# Altium PCB MB1397.PcbDoc (part 6 of 11)
Units mm, origin at the board's own origin, x right, y up, seen from the top; angles counter-clockwise.
Board outline 118.24 x 172.86 mm, 6 copper layers (Top Layer, L2_GND, L3_VCC, L4_SIG, L5_GND, Bottom Layer), stack 1.631 mm thick; 819 components, 632 nets, 2875 pads, 1523 vias.
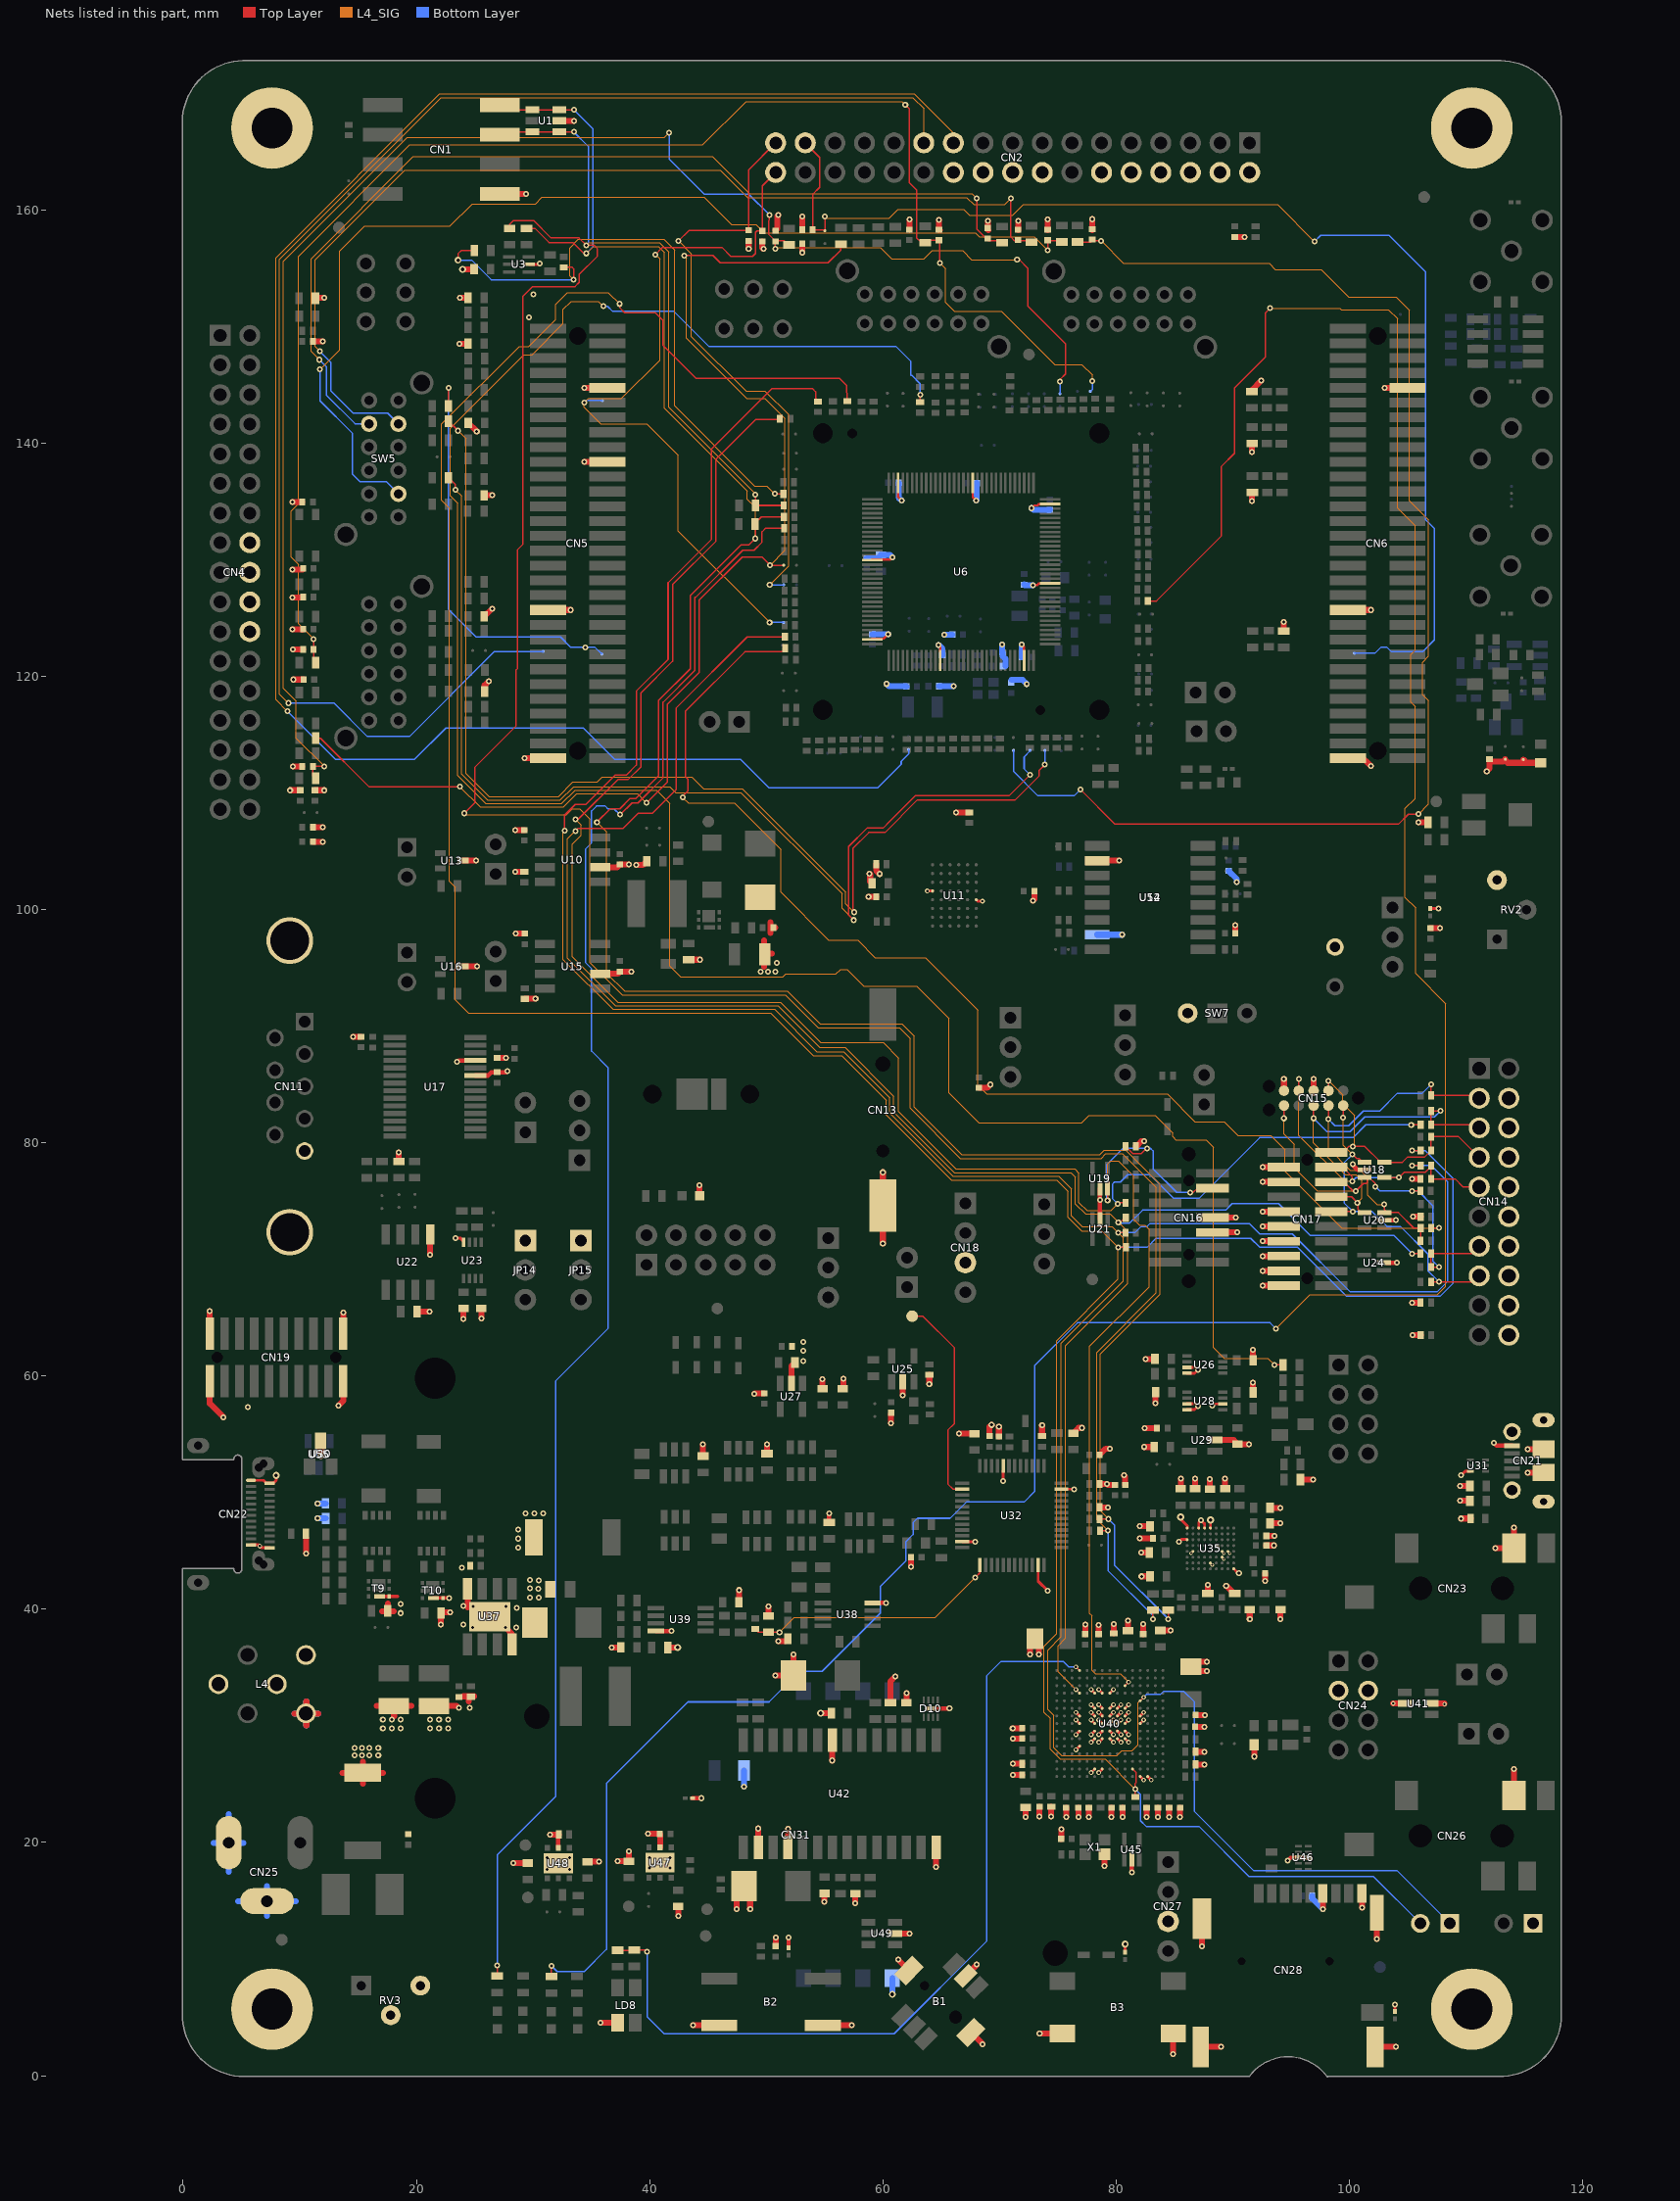
[diagram p10: the nets of this part, all layers, seen from the top]

## Via types
v1: diameter 0.508, hole 0.254, Top Layer to Bottom Layer, tented both sides, 1330 vias
v2: diameter 0.406, hole 0.203, Top Layer to Bottom Layer, tented both sides, 115 vias
v3: diameter 0.508, hole 0.254, Top Layer to Bottom Layer, 33 vias
v4: diameter 0.305, hole 0.152, Top Layer to Bottom Layer, tented both sides, 26 vias
v5: diameter 0.61, hole 0.305, Top Layer to Bottom Layer, tented both sides, 14 vias
v6: diameter 0.61, hole 0.33, Top Layer to Bottom Layer, tented both sides, 2 vias
v7: diameter 0.381, hole 0.203, Top Layer to Bottom Layer, tented both sides, 2 vias
v8: diameter 0.508, hole 0.203, Top Layer to Bottom Layer, tented both sides, 1 vias

## Nets (pads, with @x,y where several pads share a name; then routed paths per layer and width w, separated by ;. In a path a pad name is that pad's centre, name@x,y a point inside that pad or via, vN(x,y) a via of type N, cw(c..) or ccw(c..) an arc to the next point about the centre after c; other vN are vias at no path point) (continued)
GND: B1.5 B1.7 B1.8 B2.3 B2.4 B3.1 B3.2 C1.1 C2.1 C3.1 C4.2 C5.1 C6.1 C7.1 C8.1 C9.1 C10.1 C11.1 C12.1 C13.2 C14.2 C15.2 C16.1 C18.2 C21.2 C22.2 C23.1 C24.1 C25.2 C26.1 C29.1 C31.1 C32.2 C33.2 C34.1 C37.1 C38.1 C39.1 C40.2 C41.2 C42.1 C44.2 C45.1 C46.1 C47.2 C48.2 C49.1 C50.2 C51.1 C52.2 C53.2 C54.1 C56.1 C58.2 C59.1 C61.2 C62.1 C63.1 C64.2 C65.1 C66.2 C67.1 C68.1 C69.2 C70.1 C71.1 C72.1 C73.1 C74.1 C75.1 C76.1 C77.1 C78.1 C79.1 C80.1 C81.2 C82.2 C83.1 C84.1 C85.2 C86.1 C88.1 C89.1 C90.1 C91.1 C92.1 C93.2 C94.2 C96.2 C97.1 C98.1 C100.2 C101.1 C102.1 C104.1 C105.1 C108.1 C109.2 C112.1 C113.1 C114.1 C115.1 C116.1 C117.1 C118.1 C119.1 C120.1 C121.2 C122.1 C123.1 C124.1 C125.1 C126.2 C127.1 C128.1 C130.1 C131.1 C133.1 C134.1 C135.1 C136.1 C137.1 C138.1 C139.1 C140.1 C141.1 C142.1 C143.1 C144.1 C145.1 C146.2 C148.1 C149.1 C150.2 C151.1 C152.2 C153.1 C155.2 C156.1 C157.1 C160.1 C161.1 C162.1 C163.2 C164.1 C165.1 C172.2 C173.1 C174.1 C175.1 C176.1 C177.1 C178.1 C182.1 C183.1 C184.1 C185.1 C186.2 CN1.7 CN2.2 CN2.4 CN2.6 CN2.8 CN2.10 CN2.12 CN2.16 CN2.18 CN2.20 CN2.22 CN4.16 CN4.18 CN4.20 CN4.22 CN5.10 CN5.20 CN5.39 CN5.59 CN6.10 CN6.39 CN6.59 CN11.5 CN11.MT1 CN11.MT2 CN13.2 CN14.4 CN14.6 CN14.8 CN14.10 CN14.12 CN14.14 CN14.16 CN14.18 CN14.20 CN15.3 CN15.5 CN16.5 CN16.7 CN17.3 CN17.5 CN17.9 CN17.11 CN17.13 CN17.15 CN17.17 CN17.19 CN18.3 CN19.1 CN19.2 CN19.19 CN19.20 CN21.5 CN21.6 CN21.7 CN21.8 CN21.9 CN21.10 CN21.11 CN22.A1 CN22.A12 CN22.B1 CN22.B12 CN23.3 CN24.3 CN24.4 CN26.3 CN27.3 CN28.6 CN28.9 CN28.11 CN28.12 CN28.13 CN28.14 CN30.1 CN31.C5 CN31.S1 D10.9 H1.1 H2.1 H5.1 H6.1 JP14.1 JP15.1 L1.1 L4.4 L4.5 L4.6 L7.1 LD6.2 LD8.1 R18.2 R32.1 R56.1 R65.1 R106.1 R156.1 R157.2 R162.1 R163.2 R174.2 R176.1 R177.1 R180.2 R187.1 R190.2 R195.1 R203.1 R212.1 R213.1 R214.1 R217.1 R224.1 R229.1 R230.1 R233.2 R234.2 R236.2 R242.1 R251.1 R255.1 R256.1 R263.1 R264.1 R269.1 R271.1 R272.1 R276.1 R279.1 R280.1 R281.2 R283.1 R286.2 R323.1 RV2.3 RV3.2 RV3.3 SB30.1 SB31.1 SW7.3 T9.4 T9.7 T10.4 T10.7 U1.2 U3.5 U6.12 U6.30 U6.46 U6.63 U6.78 U6.94 U6.110 U6.127 U10.2 U11.D1 U11.E6 U12.10 U13.3 U14.2 U15.2 U16.3 U17.23 U17.25 U18.2 U19.2 U20.2 U21.2 U22.5 U23.4 U24.2 U25.2 U26.3 U26.4 U27.2 U28.3 U28.4 U28.6 U29.2 U30.3 U31.3 U32.8 U32.23 U32.35 U32.47 U33.2 U34.2 U35.A1 U35.A3 U35.A4 U35.A5 U35.C1 U35.D6 U35.E2 U35.E7 U35.E8 U35.F7 U35.G5 U35.H9 U36.2 U37.4 U37.8 U37.9 U38.4 U39.4 U40.D5 U40.D7 U40.D8 U40.D9 U40.F2 U40.F6 U40.F7 U40.F8 U40.F9 U40.F10 U40.F12 U40.G2 U40.G6 U40.G7 U40.G8 U40.G9 U40.G10 U40.G12 U40.H6 U40.H7 U40.H8 U40.H9 U40.H10 U40.H12 U40.J6 U40.J7 U40.J8 U40.J9 U40.J10 U40.K6 U40.K7 U40.K8 U40.K9 U40.K10 U40.M1 U40.M8 U40.M9 U40.N1 U41.2 U41.5 U42.2 U42.4 U42.14 U42.22 U44.2 U45.2 U46.3 U46.8 U47.2 U47.EP U48.2 U48.EP U49.2 U50.2 U51.2 U52.2 U54.10 U55.2 X1.2 | length 399.3
  Top Layer w0.127: v4(86.416,44.806) U35.E2@86.577,44.966 ; U35.G5@88.077,43.966 v4(88.237,43.805) ; U35.D6@88.577,45.466 88.577,45.463 v4(88.735,45.306) ; U35.F7@89.077,44.466 v4(89.235,44.305) ; U35.E7@89.077,44.966 v4(89.235,44.806) ; U35.E8@89.577,44.966 v4(89.736,44.806)
  Top Layer w0.203: U6.127@59.083,123.22 60.058,123.22 v1(60.452,123.614) ; U6.110@59.083,130.021 60.628,130.021 v1(60.808,130.2) ; U6.94@61.303,136.586 61.303,135.367 v1@61.595,135.075 ; v1(64.77,122.682) 64.902,122.547 U6.12@64.902,122.098 ; U6.78@67.701,135.992 67.701,135.367 v1(67.993,135.075) ; v1(71.89,122.735) 72.074,122.551 U6.30@72.074,121.916 ; v1(72.743,134.414) 72.974,134.645 73.257,134.645 73.377,134.765 U6.63@73.66,134.765 ; v1(72.87,127.81) 73.217,127.81 73.348,127.941 U6.46@73.515,127.941 ; U6.63@74.322,134.765 U6.63@74.323,134.766
  Top Layer w0.229: CN22.B12@5.816,51.054 6.878,51.054 CN22.A1@7.13,50.803 ; U32.23@66.807,45.792 v1(67.917,45.791) ; 73.307,42.41 U32.35@73.307,43.79 ; U32.47@75.307,50.292 v1(76.378,50.292) ; v1(85.392,45.794) 85.595,45.997 86.042,45.997 U35.C1@86.077,45.966 U35.C1@86.078,45.964 ; U35.A3@87.077,46.966 87.076,47.427 v1(87.272,47.622) 87.526,47.366 87.577,47.366 U35.A4@87.577,46.966 ; U35.A5@88.077,46.966 v5(88.077,47.648) ; v1(88.237,57.452) 88.4,57.615 U28.6@89.152,57.616 ; U35.H9@90.077,43.466 90.439,43.101 v1(90.523,43.101)
  Top Layer w0.254: CN22.B12@5.814,51.054 CN22.B12@5.816,51.054 ; CN22.B1@5.816,45.514 5.817,45.514 6.474,45.514 v2(6.576,45.413) 6.726,45.263 CN22.A12@7.414,45.263 ; CN22.A1@7.13,50.803 7.719,50.803 7.973,51.057 v5(7.973,51.483) ; v1(23.34,71.803) 23.797,71.803 24.051,71.549 U23.4@24.051,71.472 ; U3.5@29.632,155.321 30.505,155.321 v1(30.582,155.397) ; v2(63.802,101.585) U11.E6@64.249,101.585 ; U11.D1@67.999,100.835 68.12,100.711 v2(68.529,100.711) ; v1(70.307,50.998) U32.8@70.307,51.859 ; 73.307,42.41 v1(74.14,41.577) ; v2(76.551,29.249) U40.D7@76.853,29.551 ; v2(76.551,30.505) U40.D8@76.853,30.203 ; v2(76.551,31.155) U40.D9@76.853,30.853 ; v2(76.552,27.949) U40.D5@76.855,28.251 ; v2(77.851,30.505) U40.F8@78.155,30.203 ; v2(77.851,31.155) U40.F9@78.155,30.853 ; v2(77.851,31.805) U40.F10@78.155,31.503 ; v2(77.851,33.105) U40.F12@78.155,32.803 ; v2(77.852,26) U40.F2@78.155,26.303 ; v2(77.852,28.599) U40.F6@78.155,28.901 ; v2(77.852,29.249) U40.F7@78.155,29.553 ; v2(78.501,30.505) U40.G8@78.805,30.203 ; v2(78.501,31.155) U40.G9@78.805,30.853 ; v2(78.501,31.805) U40.G10@78.805,31.503 ; v2(78.501,33.105) U40.G12@78.805,32.803 ; v2(78.502,26) U40.G2@78.805,26.303 ; v2(78.502,28.599) U40.G6@78.805,28.901 ; v2(78.502,29.249) U40.G7@78.805,29.553 ; U40.H8@79.455,30.203 v2(79.757,30.505) ; U40.H9@79.455,30.853 v2(79.757,31.155) ; U40.H10@79.455,31.503 v2(79.757,31.805) ; U40.H12@79.455,32.803 v2(79.757,33.106) ; U40.H6@79.456,28.903 v2(79.758,28.6) ; U40.H7@79.456,29.553 v2(79.758,29.25) ; U40.J8@80.105,30.203 v2(80.407,30.505) ; U40.J9@80.105,30.853 v2(80.407,31.155) ; U40.J10@80.105,31.503 v2(80.407,31.805) ; U40.J6@80.106,28.903 v2(80.408,28.6) ; U40.J7@80.106,29.553 v2(80.408,29.25) ; U40.K8@80.755,30.203 v2(81.057,30.505) ; U40.K9@80.755,30.853 v2(81.057,31.155) ; U40.K10@80.755,31.503 v2(81.057,31.805) ; U40.K6@80.755,28.903 v2(81.058,28.6) ; U40.K7@80.755,29.553 v2(81.058,29.25) ; U51.2@80.767,10.582 v5(80.767,11.286) ; U40.M1@82.055,25.653 v2(82.357,25.35) ; U40.M8@82.055,30.203 v2(82.357,30.505) ; U40.M9@82.055,30.853 v2(82.357,31.155) ; U40.N1@82.705,25.653 v2(83.007,25.35) ; v5(85.519,47.902) 85.519,47.724 86.076,47.168 U35.A1@86.077,46.966 ; U28.4@86.052,57.116 86.726,57.114 v1(87.018,57.407) 86.81,57.615 U28.3@86.052,57.616 ; U26.4@86.051,60.235 86.726,60.234 v1(87.018,60.526) 86.81,60.734 U26.3@86.051,60.735 ; U52.2@103.886,5.519 v1(103.886,6.116) ; U14.2@106.934,100.085 v1(107.627,100.084) ; v1(109.573,51.483) 109.906,51.816 U31.3@110.354,51.816
  Top Layer w0.305: T9.7@16.843,41.09 18.367,41.09 ; T10.7@21.458,40.963 T10.4@22.283,40.963 v1(22.812,40.963) ; U50.2@51.914,10.98 v1(51.913,11.857) ; v1(94.714,18.463) 94.948,18.697 U46.3@96.452,18.699
  Top Layer w0.381: v1(23.492,86.942) 23.612,87.061 U17.25@25.04,87.063 ; U17.23@25.04,85.763 26.134,85.763 26.419,86.048 27.678,86.048 v1(27.785,86.154) ; U48.2@32.166,19.524 32.167,20.648 R286.2@32.205,20.688 ; U39.4@40.531,38.138 v1(41.882,38.138) ; U44.2@43.668,23.8 v1(44.425,23.8) ; R242.1@55.39,47.436 v1(55.39,48.227) ; U38.4@59.098,40.541 v1(60.274,40.538) ; D10.9@64.094,31.483 64.107,31.496 v1(65.703,31.496) ; U19.2@78.606,76.077 v1(78.605,75.095) 78.613,75.087 U21.2@78.613,73.446 U21.2@78.613,73.446 ; v1(81.336,17.447) U45.2@81.336,18.536 ; v1(100.302,78.153) 100.302,78.057 100.683,77.676 U18.2@101.542,77.676 ; U24.2@103.21,69.718 v1(104.059,69.718) ; U20.2@103.243,73.358 v1(103.985,73.358) ; v1(112.367,54.277) 112.624,54.021 CN21.5@113.938,54.021
  Top Layer w0.508: CN19.1@2.286,59.56 2.286,57.63 3.452,56.464 v1(3.454,56.464) ; CN19.2@2.286,63.63 v1(2.286,65.552) ; v1(9.177,110.223) C37.1@10.044,110.223 ; v1(9.37,124.003) 10.19,124.003 C26.1@10.19,124 ; v1(9.37,126.746) C24.1@10.234,126.746 ; v1(9.37,129.159) C23.1@10.234,129.159 ; v1(9.37,134.94) C22.2@10.218,134.941 ; v1(9.418,112.268) C34.1@10.218,112.268 ; v1(9.418,122.301) C29.1@10.285,122.301 ; v1(9.464,119.715) C31.1@10.335,119.717 ; v1(10.526,44.764) U36.2@10.526,46.129 ; C42.1@11.118,105.791 v1(11.958,105.791) ; C39.1@11.118,107.06 v1(11.961,107.058) ; C16.1@11.118,148.709 v1(11.979,148.707) ; C38.1@11.294,110.223 v1(12.098,110.223) ; R18.2@11.339,152.448 v1(12.113,152.448) ; v1(11.783,53.134) U30.3@11.783,54.234 ; v1(13.307,57.452) 13.716,57.861 CN19.19@13.716,59.56 ; CN19.20@13.716,63.63 v1(13.716,65.453) ; v1(14.577,89.096) C54.1@15.24,89.096 ; 16.604,31.702 C124.1@18.082,31.702 ; 17.046,39.825 R263.1@17.544,39.825 ; 17.544,40.503 R263.1@17.544,39.825 ; 18.042,39.825 R263.1@17.544,39.825 ; 18.082,30.823 C124.1@18.082,31.702 ; R190.2@18.501,78.409 v1(18.499,79.169) ; 19.561,31.702 C124.1@18.082,31.702 ; R213.1@20.047,65.532 R213.1@20.047,65.532 v1(21.133,65.532) ; C123.1@20.46,31.702 23.416,31.702 ; v1(21.176,70.411) U22.5@21.177,72.141 ; v1(22.108,38.694) 22.108,39.731 v1(22.901,39.731) ; v1(23.67,148.511) C15.2@24.417,148.511 ; v1(23.721,152.448) C14.2@24.413,152.448 C14.2@24.417,152.448 ; v5(23.952,154.889) 23.96,154.897 C13.2@24.951,154.897 ; U16.3@23.998,95.124 v1(25.197,95.123) ; U13.3@23.999,104.185 v1(25.113,104.183) ; 24.026,32.535 R272.1@24.486,32.535 ; v1(24.039,64.882) C61.2@24.039,65.787 ; 24.384,40.144 U37.4@24.384,41.736 ; C18.2@24.446,141.732 v1(25.176,141) ; 24.486,32.103 R272.1@24.486,32.535 ; R272.1@24.943,32.535 R272.1@24.486,32.535 ; v1(25.563,64.945) C62.1@25.563,65.782 ; C21.2@25.813,135.509 v1(26.515,135.509) ; C25.2@25.821,125.12 v1(26.485,125.783) ; C32.2@25.847,118.684 25.847,119.217 v1(26.21,119.581) ; C56.1@26.924,87.263 v1(27.658,87.262) ; CN1.7@27.135,161.349 v1(29.411,161.348) ; v1(27.632,38.439) 28.194,37.877 U37.8@28.194,36.986 ; v1(28.324,18.24) C151.1@29.55,18.24 ; v1(28.463,106.812) C40.2@29.25,106.814 ; v1(28.489,103.231) R163.2@29.25,103.232 ; v1(28.505,97.93) C52.2@29.303,97.93 ; v1(29.284,112.979) CN5.59@31.285,112.981 ; R180.2@29.303,92.338 v1(30.216,92.338) ; CN5.39@31.285,125.681 v1(33.216,125.679) ; v1(31.468,20.688) R286.2@32.205,20.688 ; U1.2@32.247,167.627 v1(33.5,167.625) ; v1(34.389,138.382) 36.386,138.382 CN5.20@36.385,138.381 ; v1(34.389,144.732) 36.386,144.732 CN5.10@36.385,144.731 ; C150.2@34.663,18.356 v1(35.672,18.354) ; U15.2@35.761,94.489 37.264,94.488 C53.2@37.45,94.674 v1(38.443,94.673) ; U10.2@35.761,103.631 37.224,103.629 C44.2@37.45,103.856 v1(38.199,103.856) ; v1(35.786,4.549) LD8.1@37.256,4.55 ; v1(36.733,36.722) C120.1@37.519,36.723 ; v1(37.254,18.392) C149.1@38.215,18.394 v1(38.214,19.241) ; v1(38.834,103.807) 39.398,103.807 C45.1@39.742,104.151 ; v1(39.858,20.742) C146.2@40.873,20.742 40.891,20.721 U47.2@40.892,19.577 ; R271.1@41.569,36.722 v5(42.39,36.722) ; v1(42.456,13.698) C156.1@42.456,14.453 ; R176.1@43.325,95.692 R176.1@43.325,95.694 v1(44.295,95.695) ; v1(43.708,4.318) B2.3@45.964,4.318 ; LD6.2@44.284,75.442 v1(44.282,76.375) ; R230.1@44.549,53.198 v1(44.549,54.15) ; v1(47.47,14.272) 47.47,15.624 C152.2@48.095,16.25 48.613,15.73 v1(48.613,14.272) ; C108.1@47.655,40.607 v1(47.655,41.646) ; v1(48.486,156.639) C9.1@48.486,157.335 ; v1(48.977,58.468) 49.025,58.516 C71.1@49.817,58.516 ; U42.2@49.313,19.585 49.314,19.583 v1(49.314,21.196) ; C11.1@49.654,157.281 49.654,156.741 v1(49.756,156.639) ; 49.804,95.105 R177.1@49.804,96.233 ; 49.804,97.361 R177.1@49.804,96.233 ; R229.1@50.069,53.34 v1(50.068,54.15) ; C112.1@50.189,39.435 v1(50.188,40.231) ; 50.35,97.986 C49.1@50.35,98.445 ; 50.35,98.903 C49.1@50.35,98.445 ; 50.482,96.233 R177.1@49.804,96.233 ; v1(50.772,34.313) C121.2@52.336,34.313 v1(52.337,36.116) ; C10.1@50.772,158.232 50.924,158.384 50.924,159.459 v1(51.026,159.56) ; C49.1@50.782,98.445 C49.1@50.35,98.445 ; C157.1@50.8,11.118 v1(50.8,11.859) ; v1(51.026,37.259) 51.628,37.259 C119.1@51.839,37.472 ; U42.4@51.853,19.585 51.854,19.583 v1(51.854,21.191) ; U27.2@52.154,59.352 52.154,60.859 C66.2@52.451,61.156 ; v1(53.076,156.334) C12.1@53.077,157.087 ; C3.1@53.077,158.287 v1(53.076,159.433) ; v5(54.662,31.088) C127.1@55.577,31.088 ; C67.1@54.821,58.931 v1(54.821,59.738) ; B2.4@54.864,4.318 v1(57.328,4.318) ; v1(54.963,14.907) C153.1@54.963,15.603 ; U42.22@55.663,28.765 55.664,28.763 v1(55.664,27.033) ; C68.1@56.596,58.989 v1(56.596,59.756) ; v1(57.63,14.78) C155.2@57.63,15.604 ; v1(58.773,101.089) 59.426,101.089 C48.2@59.426,101.088 ; v1(58.849,103.081) 58.9,103.03 58.9,102.41 C46.1@59.057,102.256 ; R162.1@59.416,103.885 59.416,103.342 v1(59.713,103.045) ; v1(59.992,71.371) CN13.2@59.992,74.604 v1(59.992,77.467) ; R276.1@60.657,31.987 60.657,33.834 v1(61.062,34.239) ; v1(60.681,55.928) C72.1@60.681,56.759 ; U49.2@61.049,12.192 v1(62.281,12.192) ; v1(61.313,9.944) B1.7@62.237,9.021 ; v1(61.699,58.341) U25.2@61.699,59.484 ; C126.2@62.013,31.988 62.014,31.986 v1(62.014,32.814) ; C5.1@62.271,158.295 v1(62.271,159.154) ; v1(62.408,43.658) C98.1@62.408,44.455 ; v1(63.98,59.294) R217.1@63.98,60.093 ; U42.14@64.553,19.585 64.554,19.583 v1(64.554,17.894) ; v1(64.8,159.121) 64.8,158.3 C7.1@64.869,158.232 ; v1(66.269,108.321) R156.1@67.41,108.322 ; v1(66.52,55.052) C76.1@67.861,55.053 ; B1.8@67.541,3.718 67.541,3.719 v1(68.542,2.715) ; v1(68.044,9.525) B1.5@67.081,8.562 ; C59.1@68.227,84.698 68.923,84.696 v1(69.212,84.986) ; v1(68.981,159.052) 68.981,158.311 C2.1@69.06,158.232 ; C77.1@69.145,54.845 69.144,55.631 v1(69.314,55.801) ; C78.1@69.945,54.803 v1(69.944,55.669) ; v1(71.123,29.797) C131.1@71.951,29.799 ; v1(71.125,28.91) C133.1@71.943,28.912 ; v1(71.133,25.796) C134.1@71.951,25.798 ; v1(71.133,26.749) R280.1@71.951,26.751 ; v1(71.587,159.04) 71.587,158.245 C6.1@71.6,158.234 ; v1(72.233,22.177) C135.1@72.233,23.003 ; v1(72.616,36.116) 72.616,37.056 C115.1@73.033,37.472 73.378,37.125 v1(73.378,36.116) ; v1(72.87,100.759) 72.984,100.874 72.984,101.572 C47.2@72.983,101.573 ; v1(73.416,22.243) C136.1@73.417,23.068 ; v1(73.431,3.632) 75.382,3.632 B3.2@75.39,3.625 ; R224.1@73.644,54.844 v1(73.642,55.791) ; v1(74.127,159.167) 74.127,158.372 74.14,158.359 C8.1@74.14,158.232 ; v1(74.432,22.243) R283.1@74.433,23.068 ; C148.1@75.28,20.31 75.281,20.31 v1(75.281,21.125) ; v1(75.702,22.174) C138.1@75.703,22.999 ; C75.1@76.313,55.095 76.766,55.547 v1(77.061,55.547) ; v1(76.756,22.174) C139.1@76.758,22.999 ; C116.1@77.346,37.869 v1(77.346,38.687) ; v1(77.645,22.174) C140.1@77.647,22.999 ; v1(77.937,159.192) 77.937,158.245 C4.2@77.95,158.232 ; U12.10@78.351,104.188 v1(80.236,104.188) ; C117.1@78.496,37.869 v1(78.496,38.656) ; R236.2@78.579,48.738 v1(79.296,48.738) ; R234.2@78.579,50.741 78.577,50.742 v1(79.2,50.742) 79.276,50.665 C82.2@79.855,50.665 ; C80.1@78.579,53.238 79.111,53.769 v1(79.474,53.769) ; v1(78.989,17.978) X1.2@78.988,18.981 ; v1(79.591,22.174) C141.1@79.59,22.999 ; R269.1@79.797,37.922 v1(79.797,38.725) ; v1(80.538,22.174) C137.1@80.54,22.999 ; v1(80.668,51.483) 80.668,51.432 80.744,51.356 C83.1@80.744,50.665 ; C114.1@81.011,38.172 v1(81.011,39.025) ; R187.1@81.697,79.708 81.74,79.708 82.166,80.134 v1(82.395,80.134) ; v1(82.014,46.076) C94.2@83.147,46.077 ; v1(82.014,47.117) C92.1@82.897,47.119 ; v1(82.136,44.879) C97.1@82.837,44.879 ; v1(82.166,42.822) C101.1@82.897,42.822 ; C118.1@82.306,37.869 v1(82.306,38.745) ; v1(82.385,53.912) 83.254,53.912 C79.1@83.254,53.911 ; v1(82.441,55.527) C74.1@83.504,55.527 ; v1(82.522,61.463) C64.2@83.321,61.464 ; v1(82.606,22.174) C145.1@82.607,22.999 ; v1(83.37,57.671) C69.2@83.371,58.619 ; v1(83.576,22.174) C142.1@83.577,22.999 ; C113.1@83.782,38.186 C113.1@83.782,38.186 v1(84.681,38.184) ; v1(84.539,22.174) 84.539,22.997 C143.1@84.541,22.999 ; v1(84.89,1.875) B3.1@84.89,3.625 ; v1(85.471,22.174) C144.1@85.471,22.999 ; C84.1@85.529,50.326 85.529,50.325 v1(85.529,51.189) ; C122.1@86.402,35.075 86.782,34.694 v1(87.754,34.694) ; C122.1@86.402,35.075 86.81,35.481 v1(87.78,35.481) ; C85.2@86.763,50.326 v1(86.761,51.189) ; C130.1@86.782,29.918 v1(87.579,29.916) ; R281.2@86.821,26.69 v1(87.572,26.688) ; R279.1@86.821,27.778 v1(87.559,27.777) ; C128.1@86.821,30.926 v1(87.587,30.925) ; CN28.12@87.248,2.475 v1(88.999,2.474) ; v1(87.348,11.097) CN28.13@87.348,13.475 ; R256.1@87.84,41.356 v1(87.838,42.085) ; C88.1@88.04,50.301 v1(88.039,51.163) ; CN16.5@88.258,72.307 v1(90.391,72.306) ; CN16.7@88.258,73.577 v1(90.264,73.576) ; U29.2@88.464,54.509 90.061,54.508 C73.1@90.412,54.157 ; C86.1@89.339,50.326 89.339,50.325 v1(89.339,51.189) ; v1(89.431,42.009) 90.086,41.354 R255.1@90.152,41.356 ; C1.1@90.17,157.665 v1(91.023,157.663) ; C51.1@90.212,97.966 v1(90.211,98.651) ; C73.1@90.412,54.157 v1(91.387,54.155) ; v1(91.448,39.164) C105.1@91.448,39.956 ; v1(91.641,139.205) R56.1@91.641,139.906 ; v1(91.646,135.029) R65.1@91.646,135.824 ; R32.1@91.646,144.424 91.646,144.554 v1(92.428,145.336) ; C70.1@91.731,58.594 v1(91.73,59.446) ; C65.1@91.731,61.337 v1(91.73,62.24) ; v1(91.834,27.368) L7.1@91.834,28.385 ; v1(92.555,67.742) CN17.19@94.358,67.743 ; v1(92.555,69.012) CN17.17@94.358,69.013 ; v1(92.555,70.282) CN17.15@94.358,70.283 ; v1(92.555,71.552) CN17.13@94.358,71.553 ; v1(92.555,72.822) CN17.11@94.358,72.823 ; v1(92.555,74.092) CN17.9@94.358,74.093 ; v1(92.555,76.632) CN17.5@94.358,76.633 ; v1(92.555,77.902) CN17.3@94.358,77.903 ; v1(92.751,42.408) C100.2@92.751,43.101 ; C96.2@92.85,45.469 v1(93.525,45.469) ; C93.2@92.878,46.276 v1(93.571,46.276) ; C91.1@93.187,47.373 v1(94.079,47.371) ; C90.1@93.187,48.701 v1(94.069,48.699) ; v1(94.079,39.164) C104.1@94.079,39.954 ; R106.1@94.349,123.867 v1(94.348,124.661) ; CN15.5@94.384,84.463 v1(94.384,85.468) ; R233.2@95.798,51.13 R233.2@95.798,51.13 v1(96.871,51.13) ; CN15.3@96.924,84.463 v1(96.924,85.468) ; v1(97.721,14.272) CN28.6@97.723,15.625 ; CN6.59@99.865,112.981 101.163,112.979 101.57,112.57 101.572,112.57 v1(101.826,112.316) ; CN6.39@99.865,125.681 v1(101.826,125.679) ; v1(101.072,14.399) CN28.9@101.073,15.625 ; CN28.11@102.198,2.475 v1(103.972,2.474) ; v1(102.347,11.72) CN28.14@102.347,13.973 ; v1(103.033,144.729) CN6.10@104.965,144.731 ; v7(103.736,31.925) U41.2@104.74,31.925 ; v1(105.382,66.294) R212.1@106.091,66.294 ; v1(105.382,76.896) R195.1@106.091,76.898 ; v1(105.395,63.5) R214.1@106.103,63.5 ; v1(105.461,73.66) R203.1@106.103,73.66 ; v1(105.903,107.478) R157.2@106.742,107.479 ; C50.2@106.934,98.398 v1(107.744,98.397) ; U41.5@107.04,31.925 108.142,31.925 v7(108.142,31.877) ; v1(109.469,49.301) C89.1@110.327,49.302 ; v1(109.469,50.571) C81.2@110.327,50.572 ; v1(109.55,47.777) U34.2@110.402,47.778 ; v1(111.773,111.847) 112.003,112.078 C33.2@112.003,112.665 ; C33.2@112.033,112.885 C33.2@112.033,112.854 ; v1(112.494,45.232) CN23.3@114.11,45.233 v1(114.109,46.998) ; CN26.3@114.091,24.024 v1(114.089,26.292) ; SB31.1@114.907,112.86 115.188,112.579 ; v1(115.28,51.719) CN21.10@116.638,51.721 ; v1(115.291,53.721) CN21.11@116.638,53.721 ; L1.1@116.383,112.579 115.188,112.579 ; B1.5@67.081,8.562 B1.5@67.081,8.562 B1.5@67.081,8.562 ; C33.2@112.003,112.665 112.033,112.696 C33.2@112.033,112.854 ; C33.2@112.003,112.665 C33.2@112.003,112.885 C33.2@112.033,112.854 ; C33.2@112.033,112.854 112.192,112.696 113.182,112.696 SB30.1@113.365,112.879 113.365,112.782 113.569,112.579 115.188,112.579